# Altium PCB pcb-sam-carrier.PcbDoc (part 1 of 3)
Units mm, origin at the board's own origin, x right, y up, seen from the top; angles counter-clockwise.
Board outline 140 x 87 mm, 4 copper layers (Top Layer, VCC, GND, Bottom Layer), stack 1.606 mm thick; 245 components, 282 nets, 1348 pads, 172 vias.
Unrouted connection lines stored in the file: 727.
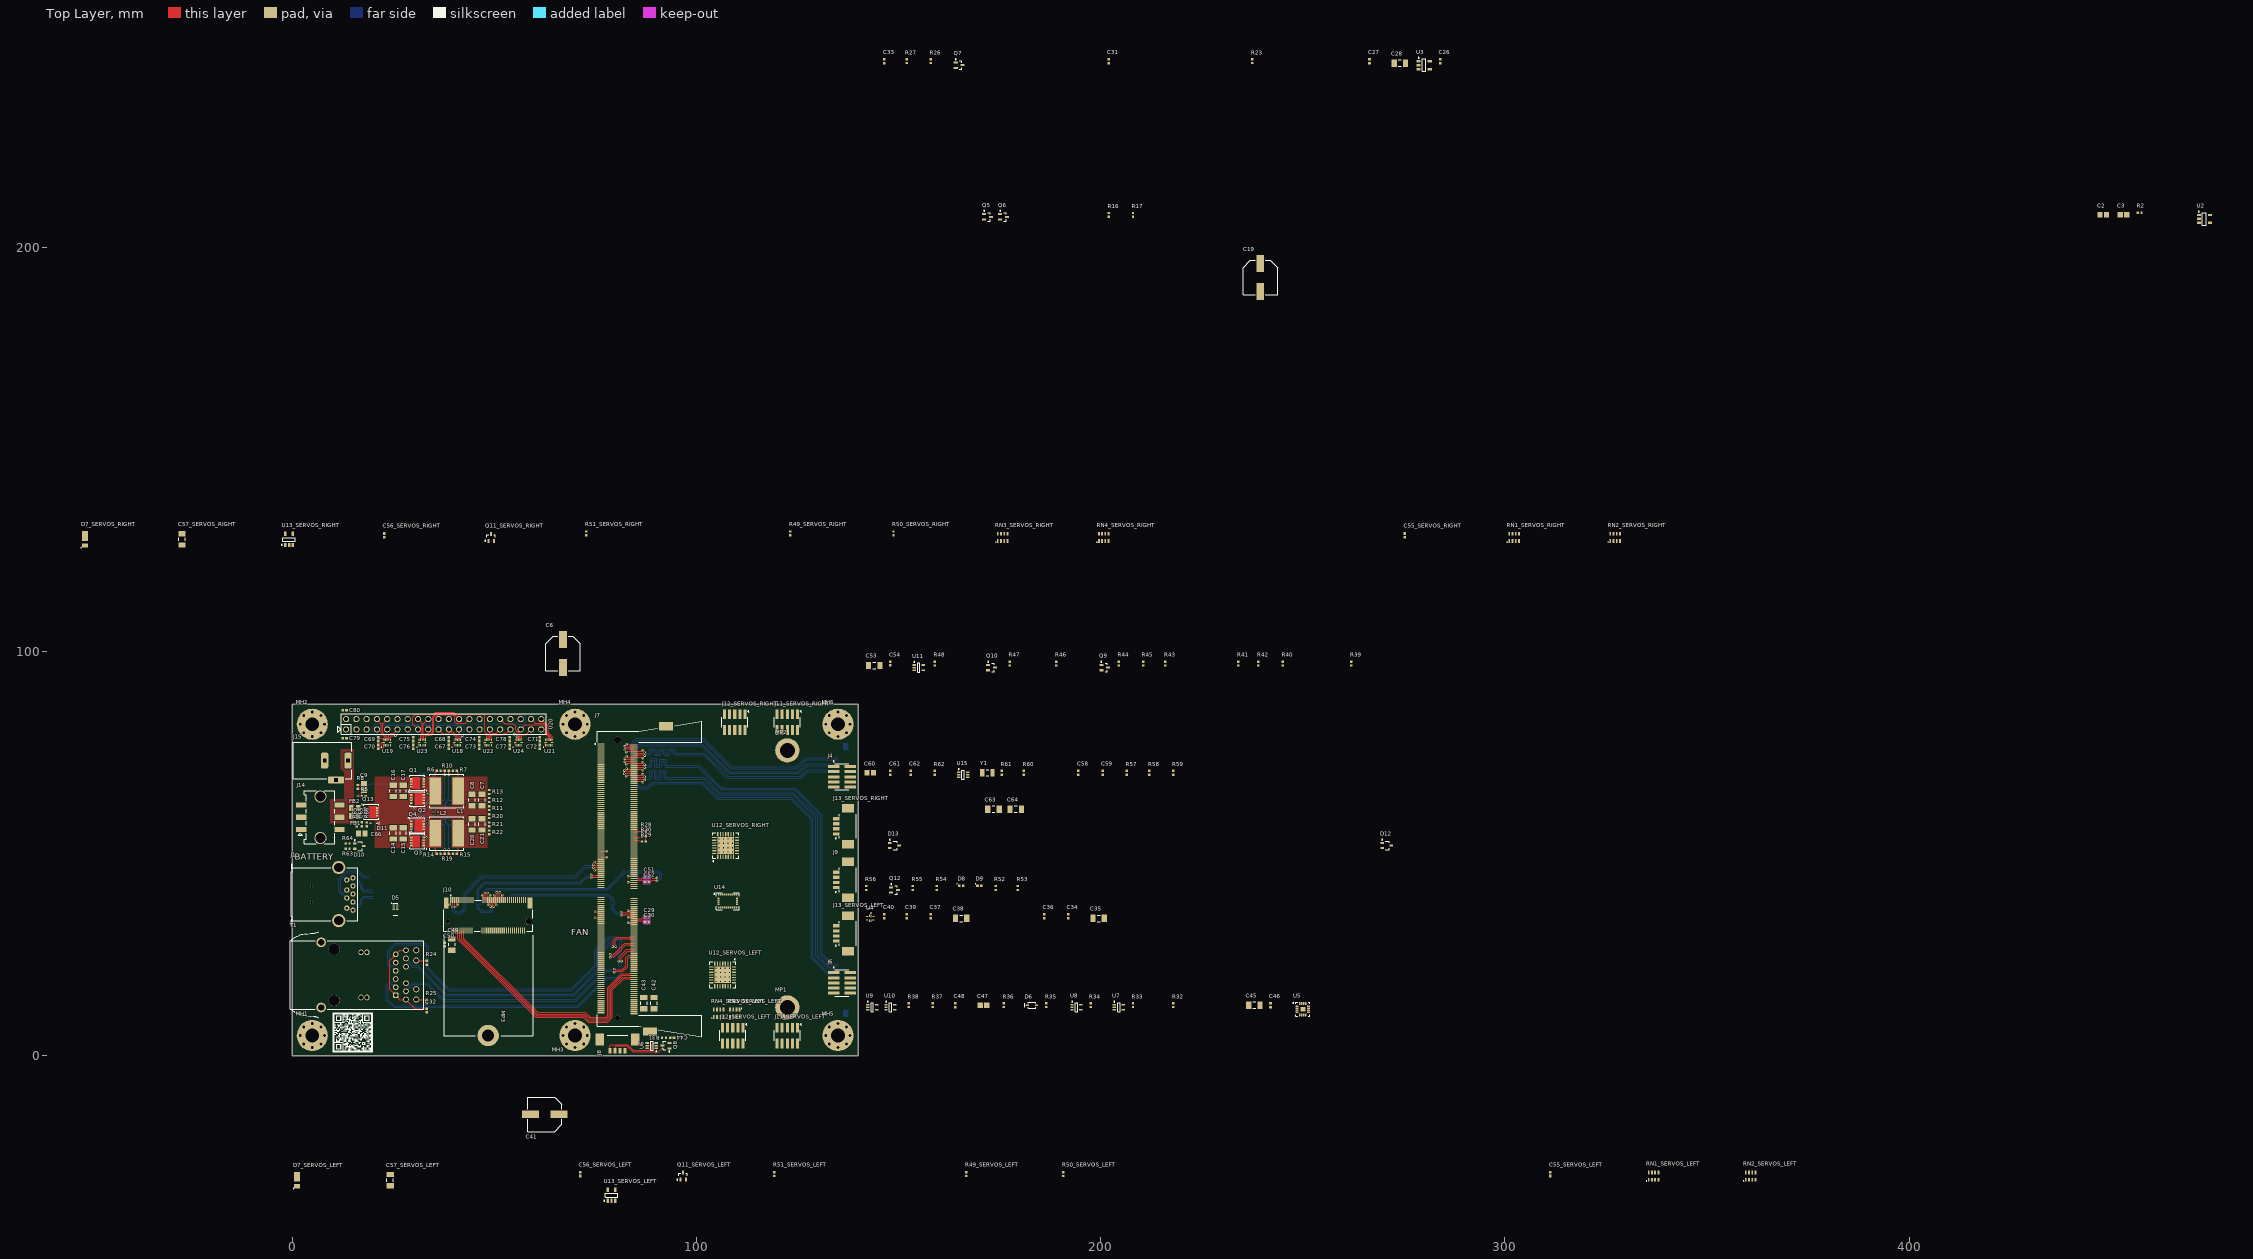
[diagram p0: Top Layer view]
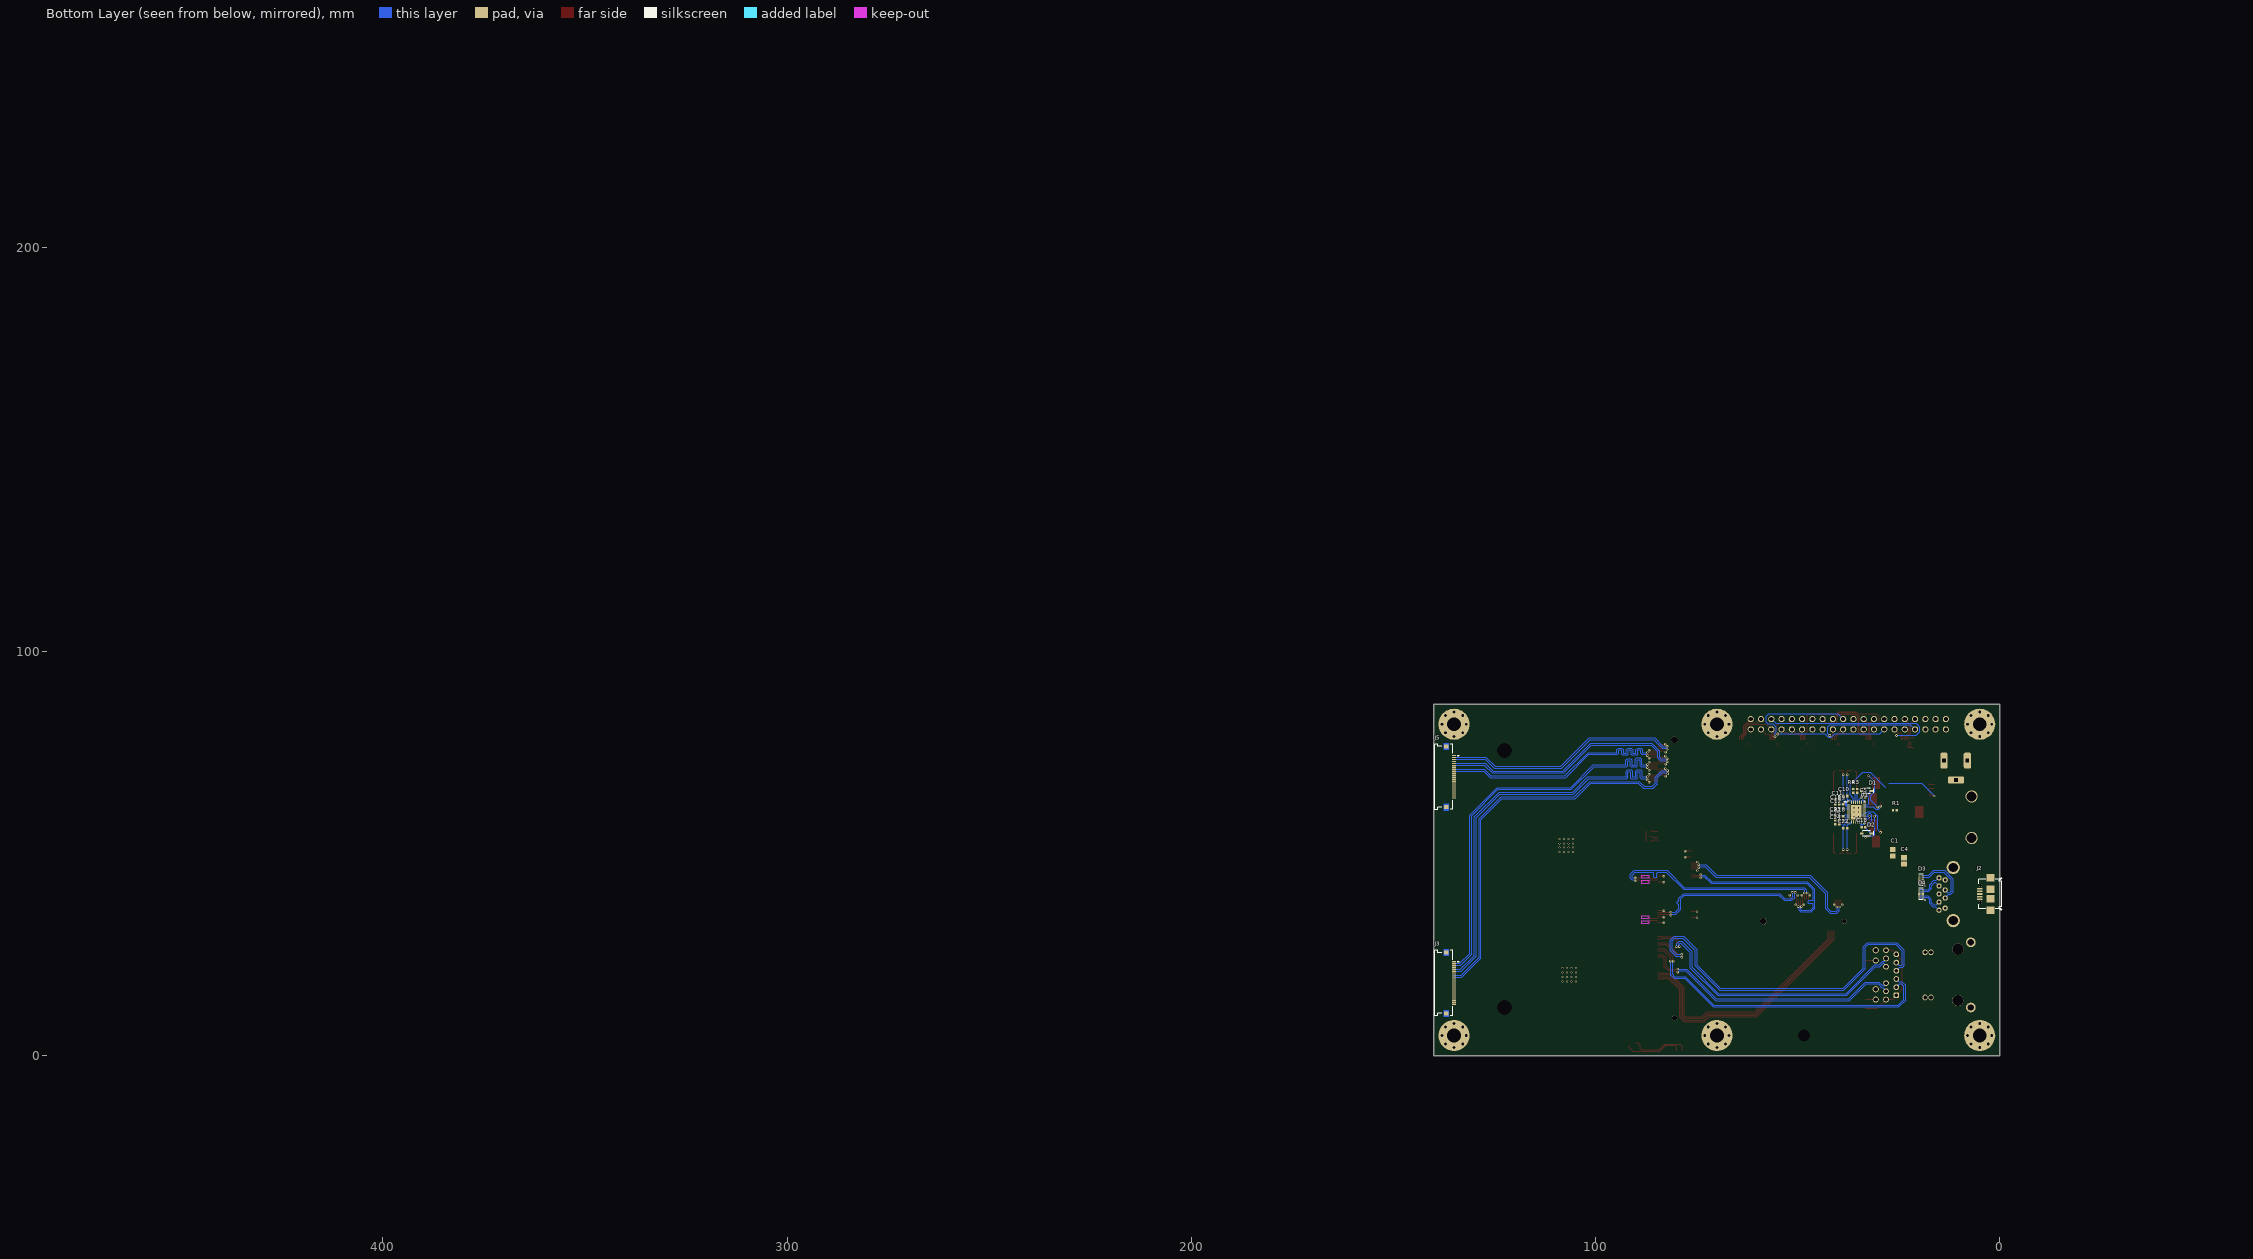
[diagram p1: Bottom Layer view, seen from below]

## Layer stack, top to bottom
Top Solder: solder mask 0.025, PSR-4000 GP01EU, Dk 3.6
Top Layer: signal copper 0.043
Dielectric 3: dielectric 0.1248, IS400, Dk 3.9
VCC: signal copper 0.035
Dielectric 1: dielectric 1.2, IS400, Dk 4.4
GND: signal copper 0.035
Dielectric 2: dielectric 0.1248, IS400, Dk 3.9
Bottom Layer: signal copper 0.043
Bottom Solder: solder mask 0.025, PSR-4000 GP01EU, Dk 3.6

## Board outline
0,0 0,87 140,87 140,0

## Design rules (kind name [scope] priority, off if disabled: settings)
BoardOutlineClearance [All] p1: gap=0.3 ignorepadtopadclearanceinfootprint=FALSE
Clearance "Schematic Clearance Constraint_6" [InNetClass('GBE')] p1: gap=0.5 ignorepadtopadclearanceinfootprint=TRUE
Clearance "Schematic Clearance Constraint_5" [InNetClass('USBSS')] p2: gap=0.5 ignorepadtopadclearanceinfootprint=FALSE
Clearance "Schematic Clearance Constraint_4" [InNetClass('PCIE')] p3: gap=0.5 ignorepadtopadclearanceinfootprint=FALSE
Clearance "Schematic Clearance Constraint_3" [InNetClass('CSI0')] p4: gap=0.5 ignorepadtopadclearanceinfootprint=TRUE
Clearance "Schematic Clearance Constraint" [InNetClass('CSI2')] p5: gap=0.5 ignorepadtopadclearanceinfootprint=TRUE
Clearance [All] p6: gap=0.152 ignorepadtopadclearanceinfootprint=FALSE except(0.2: Fill-Fill Fill-Poly Fill-Region Poly-Poly Poly-Region Region-Region; 0.25: Arc-Hole Track-Hole SMDPad-Hole THPad-Hole Via-Hole Fill-Hole Poly-Hole Region-Hole Text-Hole)
DiffPairsRouting "Schematic Differential Pairs Routing_9" [InNetClass('USB')] p1: maxlimit=0.254 minlimit=0.244 mostfreqgap=0.254 toplayer_maxgap=0.244 toplayer_prefgap=0.244 toplayer_minwidth=0.213 toplayer_maxwidth=0.213 toplayer_prefwidth=0.213 bottomlayer_maxgap=0.244 bottomlayer_prefgap=0.244 bottomlayer_minwidth=0.213 bottomlayer_maxwidth=0.213 bottomlayer_prefwidth=0.213 impedanceprofiledriven=TRUE impedanceprofileid={0178DCAB-1AC9-4721-BD34-BD9DFD89F437} impedanceprofilevalue=90.000000 maxuncoupledlength=12.7
DiffPairsRouting "Schematic Differential Pairs Routing_8" [InNetClass('USBSS')] p2: maxlimit=0.254 minlimit=0.244 mostfreqgap=0.254 toplayer_maxgap=0.244 toplayer_prefgap=0.244 toplayer_minwidth=0.213 toplayer_maxwidth=0.213 toplayer_prefwidth=0.213 bottomlayer_maxgap=0.244 bottomlayer_prefgap=0.244 bottomlayer_minwidth=0.213 bottomlayer_maxwidth=0.213 bottomlayer_prefwidth=0.213 impedanceprofiledriven=TRUE impedanceprofileid={0178DCAB-1AC9-4721-BD34-BD9DFD89F437} impedanceprofilevalue=90.000000 maxuncoupledlength=12.7
DiffPairsRouting "Schematic Differential Pairs Routing_7" [InNetClass('PCIE')] p3: maxlimit=0.254 minlimit=0.173 mostfreqgap=0.254 toplayer_maxgap=0.173 toplayer_prefgap=0.173 toplayer_minwidth=0.213 toplayer_maxwidth=0.213 toplayer_prefwidth=0.213 midlayer1_minwidth=0.381 midlayer1_maxwidth=0.381 midlayer1_prefwidth=0.381 midlayer2_minwidth=0.381 midlayer2_maxwidth=0.381 midlayer2_prefwidth=0.381 bottomlayer_maxgap=0.173 bottomlayer_prefgap=0.173 bottomlayer_minwidth=0.213 bottomlayer_maxwidth=0.213 bottomlayer_prefwidth=0.213 maxuncoupledlength=12.45
DiffPairsRouting "Schematic Differential Pairs Routing_6" [InNetClass('GBE')] p4: maxlimit=0.254 minlimit=0.244 mostfreqgap=0.254 toplayer_maxgap=0.244 toplayer_prefgap=0.244 toplayer_minwidth=0.213 toplayer_maxwidth=0.213 toplayer_prefwidth=0.213 bottomlayer_maxgap=0.244 bottomlayer_prefgap=0.244 bottomlayer_minwidth=0.213 bottomlayer_maxwidth=0.213 bottomlayer_prefwidth=0.213 impedanceprofiledriven=TRUE impedanceprofileid={BA4EC377-7BF6-4FB9-BB63-C711904EB274} impedanceprofilevalue=90.000000 maxuncoupledlength=12.7
DiffPairsRouting "Schematic Differential Pairs Routing_5" [InNetClass('CSI0')] p5: maxlimit=0.254 minlimit=0.244 mostfreqgap=0.254 toplayer_maxgap=0.244 toplayer_prefgap=0.244 toplayer_minwidth=0.213 toplayer_maxwidth=0.213 toplayer_prefwidth=0.213 bottomlayer_maxgap=0.244 bottomlayer_prefgap=0.244 bottomlayer_minwidth=0.213 bottomlayer_maxwidth=0.213 bottomlayer_prefwidth=0.213 impedanceprofiledriven=TRUE impedanceprofileid={32393F67-D55A-466D-9724-6BA17ECC04FA} impedanceprofilevalue=90.000000 maxuncoupledlength=5
DiffPairsRouting "Schematic Differential Pairs Routing" [InNetClass('CSI2')] p6: maxlimit=0.254 minlimit=0.244 mostfreqgap=0.254 toplayer_maxgap=0.244 toplayer_prefgap=0.244 toplayer_minwidth=0.213 toplayer_maxwidth=0.213 toplayer_prefwidth=0.213 bottomlayer_maxgap=0.244 bottomlayer_prefgap=0.244 bottomlayer_minwidth=0.213 bottomlayer_maxwidth=0.213 bottomlayer_prefwidth=0.213 impedanceprofiledriven=TRUE impedanceprofileid={32393F67-D55A-466D-9724-6BA17ECC04FA} impedanceprofilevalue=90.000000 maxuncoupledlength=5
DiffPairsRouting [All] p7: maxlimit=0.254 minlimit=0.244 mostfreqgap=0.254 toplayer_maxgap=0.244 toplayer_prefgap=0.244 toplayer_minwidth=0.213 toplayer_maxwidth=0.213 toplayer_prefwidth=0.213 bottomlayer_maxgap=0.244 bottomlayer_prefgap=0.244 bottomlayer_minwidth=0.213 bottomlayer_maxwidth=0.213 bottomlayer_prefwidth=0.213 impedanceprofiledriven=TRUE impedanceprofileid={BA4EC377-7BF6-4FB9-BB63-C711904EB274} impedanceprofilevalue=90.000000 maxuncoupledlength=12.7
HoleSize [All] p1: absolutevalues=TRUE maxlimit=2.54 minlimit=0.3 maxpercent=80.000 minpercent=20.000
Length "Schematic Length Constraint_6" [InNetClass('USBSS')] p1: maxlimit=2540 minlimit=0 usedelayunits=TRUE mindelay=0.000000 maxdelay=1014.000000
Length "Schematic Length Constraint_5" [InNetClass('USB')] p2: maxlimit=2540 minlimit=0 usedelayunits=TRUE mindelay=0.000000 maxdelay=960.000000
Length "Schematic Length Constraint_4" [InNetClass('PCIE')] p3: maxlimit=2540 minlimit=0 usedelayunits=TRUE mindelay=0.000000 maxdelay=880.000000
Length "Schematic Length Constraint_3" [InNetClass('CSI0')] p4: maxlimit=20.32 minlimit=0 usedelayunits=TRUE mindelay=0.000000 maxdelay=800.000000
Length "Schematic Length Constraint_1" [InNetClass('CSI2')] p5: maxlimit=20.32 minlimit=0 usedelayunits=TRUE mindelay=0.000000 maxdelay=800.000000
Length "Schematic Length Constraint" [InNetClass('GBE')] p6: maxlimit=2540 minlimit=0 usedelayunits=TRUE mindelay=0.000000 maxdelay=960.000000
MatchedLengths "Schematic Matched Net Lengths_7" [InNetClass('CSI0')] p1: tolerance=0.406 checknetsindiffpair=FALSE checkdiffpairvsdiffpair=TRUE checkxsignals=TRUE checkothers=TRUE usedelayunits=TRUE delaytolerance=5.000000
MatchedLengths "Schematic Matched Net Lengths_6" [InNetClass('CSI0')] p2: tolerance=25.4 checknetsindiffpair=TRUE checkdiffpairvsdiffpair=FALSE checkxsignals=FALSE checkothers=FALSE usedelayunits=TRUE delaytolerance=1.000000
MatchedLengths "Schematic Matched Net Lengths_5" [InNetClass('CSI2')] p3: tolerance=0.406 checknetsindiffpair=FALSE checkdiffpairvsdiffpair=TRUE checkxsignals=TRUE checkothers=TRUE usedelayunits=TRUE delaytolerance=5.000000
MatchedLengths "Schematic Matched Net Lengths_4" [InNetClass('USB')] p4: tolerance=25.4 checknetsindiffpair=TRUE checkdiffpairvsdiffpair=FALSE checkxsignals=FALSE checkothers=FALSE usedelayunits=TRUE delaytolerance=7.500000
MatchedLengths "Schematic Matched Net Lengths_3" [InNetClass('CSI2')] p5: tolerance=25.4 checknetsindiffpair=TRUE checkdiffpairvsdiffpair=FALSE checkxsignals=FALSE checkothers=FALSE usedelayunits=TRUE delaytolerance=1.000000
MatchedLengths "Schematic Matched Net Lengths_2" [InNetClass('USBSS')] p6: tolerance=25.4 checknetsindiffpair=TRUE checkdiffpairvsdiffpair=FALSE checkxsignals=FALSE checkothers=FALSE usedelayunits=TRUE delaytolerance=1.000000
MatchedLengths "Schematic Matched Net Lengths_1" [InNetClass('GBE')] p7: tolerance=25.4 checknetsindiffpair=TRUE checkdiffpairvsdiffpair=FALSE checkxsignals=FALSE checkothers=FALSE usedelayunits=TRUE delaytolerance=1.000000
MatchedLengths "Schematic Matched Net Lengths" [InNetClass('PCIE')] p8: tolerance=25.4 checknetsindiffpair=TRUE checkdiffpairvsdiffpair=FALSE checkxsignals=FALSE checkothers=FALSE usedelayunits=TRUE delaytolerance=0.500000
MaximumViaCount "Schematic Maximum Via Count Constraint" [InNetClass('PCIE')] p1: limit=2
MinimumAnnularRing [All] p1: minimumring=0.2
PolygonConnect PolygonConnect_MOSFET [HasFootprint('SON65P330X90-8N_RQ3E120AT')] p1: connectstyle=Direct reliefconductorwidth=0.254 reliefentries=4 polygonreliefangle="90 Angle" airgapwidth=0.254
PolygonConnect [All] p2: connectstyle=Relief reliefconductorwidth=0.152 reliefentries=4 polygonreliefangle="90 Angle" airgapwidth=0.152
RoutingVias [All] p1: holewidth=0.4 width=0.8 viastyle="Through Hole" minholewidth=0.2 minwidth=0.6 maxholewidth=1 maxwidth=1.4
SolderMaskExpansion SolderMaskExpansion_1 [IsVia and InAnyDifferentialPair] p1: expansion=0.102 istentingtop=FALSE
SolderMaskExpansion [All] p2: expansion=0.102 istentingtop=FALSE
SupplyNets "Schematic Supply Nets_6" [InNet('VIN_OR')] p1: voltage=20.00
SupplyNets "Schematic Supply Nets_5" [InNet('VFILT_11V1')] p2: voltage=20.00
SupplyNets "Schematic Supply Nets_4" [InNet('VIN_11V1')] p3: voltage=20.00
SupplyNets "Schematic Supply Nets_3" [InNet('INTVCC')] p4: voltage=7.000
SupplyNets "Schematic Supply Nets_2" [InNet('VSYS_5V0')] p5: voltage=5.000
SupplyNets "Schematic Supply Nets_1" [InNet('VSYS_3V3')] p6: voltage=3.300
SupplyNets "Schematic Supply Nets" [InNet('VSYS_1V8')] p7: voltage=1.800
Width "Schematic Width Constraint_16" [InNet('CAM0_PWDN')] p1: maxlimit=0.254 minlimit=0.213 preferedwidth=0.254 toplayer_maxwidth=0.213 toplayer_prefwidth=0.213 bottomlayer_maxwidth=0.213 bottomlayer_prefwidth=0.213 impedanceprofiledriven=TRUE impedanceprofileid={0CB67ED5-088F-4DBD-B9C3-31A363A16907} impedanceprofilevalue=50.000000 minimp=50.000000 maximp=50.000000 favimp=50.000000
Width "Schematic Width Constraint_15" [InNet('CAM1_PWDN')] p2: maxlimit=0.254 minlimit=0.213 preferedwidth=0.254 toplayer_maxwidth=0.213 toplayer_prefwidth=0.213 bottomlayer_maxwidth=0.213 bottomlayer_prefwidth=0.213 impedanceprofiledriven=TRUE impedanceprofileid={0CB67ED5-088F-4DBD-B9C3-31A363A16907} impedanceprofilevalue=50.000000 minimp=50.000000 maximp=50.000000 favimp=50.000000
Width "Schematic Width Constraint_14" [InNet('NetJ7_210')] p3: maxlimit=0.254 minlimit=0.213 preferedwidth=0.254 toplayer_maxwidth=0.213 toplayer_prefwidth=0.213 bottomlayer_maxwidth=0.213 bottomlayer_prefwidth=0.213 impedanceprofiledriven=TRUE impedanceprofileid={0CB67ED5-088F-4DBD-B9C3-31A363A16907} impedanceprofilevalue=50.000000 minimp=50.000000 maximp=50.000000 favimp=50.000000
Width "Schematic Width Constraint_13" [InNet('CAM0_MCLK')] p4: maxlimit=0.254 minlimit=0.213 preferedwidth=0.254 toplayer_maxwidth=0.213 toplayer_prefwidth=0.213 bottomlayer_maxwidth=0.213 bottomlayer_prefwidth=0.213 impedanceprofiledriven=TRUE impedanceprofileid={0CB67ED5-088F-4DBD-B9C3-31A363A16907} impedanceprofilevalue=50.000000 minimp=50.000000 maximp=50.000000 favimp=50.000000
Width "Schematic Width Constraint_12" [InNet('CAM1_MCLK')] p5: maxlimit=0.254 minlimit=0.213 preferedwidth=0.254 toplayer_maxwidth=0.213 toplayer_prefwidth=0.213 bottomlayer_maxwidth=0.213 bottomlayer_prefwidth=0.213 impedanceprofiledriven=TRUE impedanceprofileid={0CB67ED5-088F-4DBD-B9C3-31A363A16907} impedanceprofilevalue=50.000000 minimp=50.000000 maximp=50.000000 favimp=50.000000
Width "Schematic Width Constraint_11" [InNet('CAM_SDA')] p6: maxlimit=0.254 minlimit=0.213 preferedwidth=0.254 toplayer_maxwidth=0.213 toplayer_prefwidth=0.213 bottomlayer_maxwidth=0.213 bottomlayer_prefwidth=0.213 impedanceprofiledriven=TRUE impedanceprofileid={0CB67ED5-088F-4DBD-B9C3-31A363A16907} impedanceprofilevalue=50.000000 minimp=50.000000 maximp=50.000000 favimp=50.000000
Width "Schematic Width Constraint_10" [InNet('SPI1.SCK')] p7: maxlimit=0.254 minlimit=0.213 preferedwidth=0.254 toplayer_maxwidth=0.213 toplayer_prefwidth=0.213 bottomlayer_maxwidth=0.213 bottomlayer_prefwidth=0.213 impedanceprofiledriven=TRUE impedanceprofileid={0CB67ED5-088F-4DBD-B9C3-31A363A16907} impedanceprofilevalue=50.000000 minimp=50.000000 maximp=50.000000 favimp=50.000000
Width "Schematic Width Constraint_9" [InNet('SPI0.SCK')] p8: maxlimit=0.254 minlimit=0.213 preferedwidth=0.254 toplayer_maxwidth=0.213 toplayer_prefwidth=0.213 bottomlayer_maxwidth=0.213 bottomlayer_prefwidth=0.213 impedanceprofiledriven=TRUE impedanceprofileid={0CB67ED5-088F-4DBD-B9C3-31A363A16907} impedanceprofilevalue=50.000000 minimp=50.000000 maximp=50.000000 favimp=50.000000
Width "Schematic Width Constraint_8" [InNet('CAM_SCL')] p9: maxlimit=0.254 minlimit=0.213 preferedwidth=0.254 toplayer_maxwidth=0.213 toplayer_prefwidth=0.213 bottomlayer_maxwidth=0.213 bottomlayer_prefwidth=0.213 impedanceprofiledriven=TRUE impedanceprofileid={0CB67ED5-088F-4DBD-B9C3-31A363A16907} impedanceprofilevalue=50.000000 minimp=50.000000 maximp=50.000000 favimp=50.000000
Width "Schematic Width Constraint_7" [InNet('SPI1.MOSI')] p10: maxlimit=0.254 minlimit=0.213 preferedwidth=0.254 toplayer_maxwidth=0.213 toplayer_prefwidth=0.213 bottomlayer_maxwidth=0.213 bottomlayer_prefwidth=0.213 impedanceprofiledriven=TRUE impedanceprofileid={0CB67ED5-088F-4DBD-B9C3-31A363A16907} impedanceprofilevalue=50.000000 minimp=50.000000 maximp=50.000000 favimp=50.000000
Width "Schematic Width Constraint_6" [InNet('SPI0.MOSI')] p11: maxlimit=0.254 minlimit=0.213 preferedwidth=0.254 toplayer_maxwidth=0.213 toplayer_prefwidth=0.213 bottomlayer_maxwidth=0.213 bottomlayer_prefwidth=0.213 impedanceprofiledriven=TRUE impedanceprofileid={0CB67ED5-088F-4DBD-B9C3-31A363A16907} impedanceprofilevalue=50.000000 minimp=50.000000 maximp=50.000000 favimp=50.000000
Width "Schematic Width Constraint_5" [InNet('SPI1.MISO')] p12: maxlimit=0.254 minlimit=0.213 preferedwidth=0.254 toplayer_maxwidth=0.213 toplayer_prefwidth=0.213 bottomlayer_maxwidth=0.213 bottomlayer_prefwidth=0.213 impedanceprofiledriven=TRUE impedanceprofileid={0CB67ED5-088F-4DBD-B9C3-31A363A16907} impedanceprofilevalue=50.000000 minimp=50.000000 maximp=50.000000 favimp=50.000000
Width "Schematic Width Constraint_4" [InNet('SPI0.MISO')] p13: maxlimit=0.254 minlimit=0.213 preferedwidth=0.254 toplayer_maxwidth=0.213 toplayer_prefwidth=0.213 bottomlayer_maxwidth=0.213 bottomlayer_prefwidth=0.213 impedanceprofiledriven=TRUE impedanceprofileid={0CB67ED5-088F-4DBD-B9C3-31A363A16907} impedanceprofilevalue=50.000000 minimp=50.000000 maximp=50.000000 favimp=50.000000
Width "Schematic Width Constraint_3" [InNet('SPI1_CS0')] p14: maxlimit=0.254 minlimit=0.213 preferedwidth=0.254 toplayer_maxwidth=0.213 toplayer_prefwidth=0.213 bottomlayer_maxwidth=0.213 bottomlayer_prefwidth=0.213 impedanceprofiledriven=TRUE impedanceprofileid={0CB67ED5-088F-4DBD-B9C3-31A363A16907} impedanceprofilevalue=50.000000 minimp=50.000000 maximp=50.000000 favimp=50.000000
Width "Schematic Width Constraint_2" [InNet('SPI1_CS1')] p15: maxlimit=0.254 minlimit=0.213 preferedwidth=0.254 toplayer_maxwidth=0.213 toplayer_prefwidth=0.213 bottomlayer_maxwidth=0.213 bottomlayer_prefwidth=0.213 impedanceprofiledriven=TRUE impedanceprofileid={0CB67ED5-088F-4DBD-B9C3-31A363A16907} impedanceprofilevalue=50.000000 minimp=50.000000 maximp=50.000000 favimp=50.000000
Width "Schematic Width Constraint_1" [InNet('SPI0_CS1')] p16: maxlimit=0.254 minlimit=0.213 preferedwidth=0.254 toplayer_maxwidth=0.213 toplayer_prefwidth=0.213 bottomlayer_maxwidth=0.213 bottomlayer_prefwidth=0.213 impedanceprofiledriven=TRUE impedanceprofileid={0CB67ED5-088F-4DBD-B9C3-31A363A16907} impedanceprofilevalue=50.000000 minimp=50.000000 maximp=50.000000 favimp=50.000000
Width "Schematic Width Constraint" [InNet('SPI0_CS0')] p17: maxlimit=0.254 minlimit=0.213 preferedwidth=0.254 toplayer_maxwidth=0.213 toplayer_prefwidth=0.213 bottomlayer_maxwidth=0.213 bottomlayer_prefwidth=0.213 impedanceprofiledriven=TRUE impedanceprofileid={0CB67ED5-088F-4DBD-B9C3-31A363A16907} impedanceprofilevalue=50.000000 minimp=50.000000 maximp=50.000000 favimp=50.000000
Width [All] p18: maxlimit=1 minlimit=0.1 preferedwidth=0.152
28 further rules are at their usual default settings.
